# Allegro board LAY-95869_A.brd (continued)
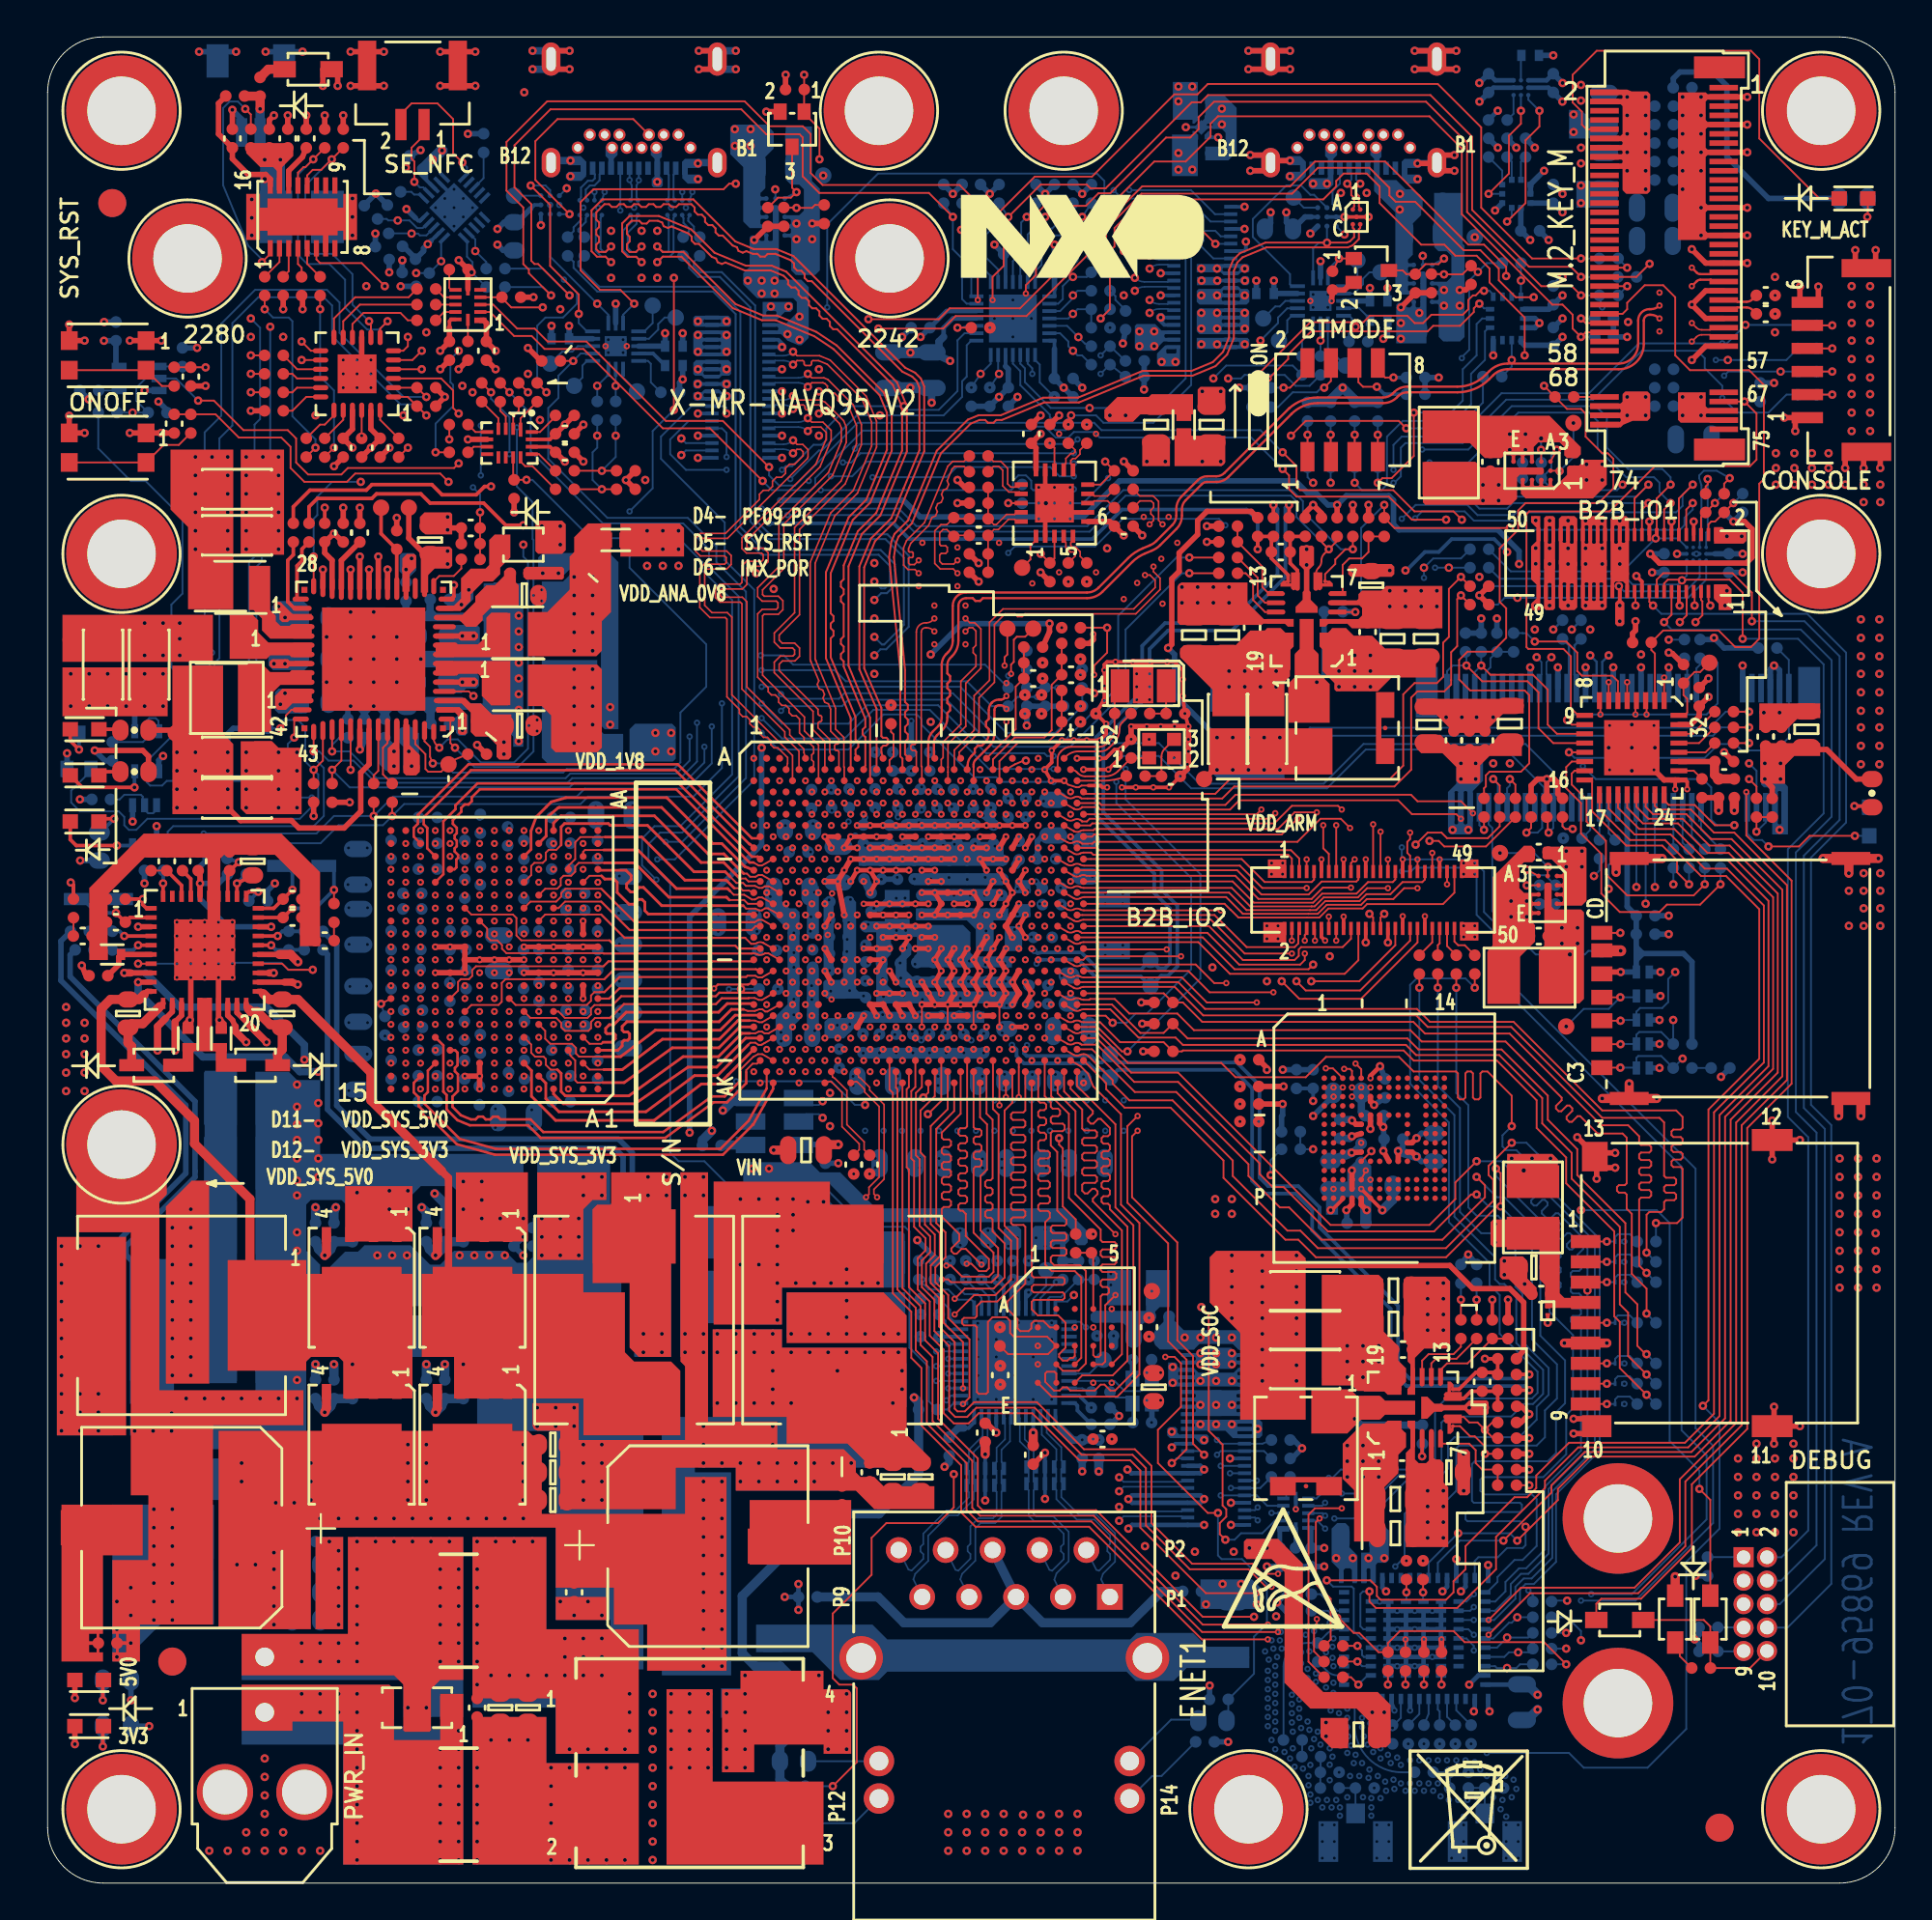
[diagram p0: board, top side]
## Routing (per net, layer and track width the routed paths; a pad name or vN(x,y) marks a point on that pad's centre or on a via; arc(x,y) is an arc through that point) (continued)
  L7_GND3 w0.4: 75.2,97.5 J12.SH4 ; J12.SH4 74.29,98.8 ; J12.SH4 76.11,98.8 ; 27.25,97.5 J13.SH3 ; J13.SH3 28.16,98.8 ; J13.SH3 26.34,98.8 ; 65.29,93.19 J12.SH1 ; J12.SH1 66.2,91.99 ; J12.SH1 67.11,93.19 ; 35.34,98.8 J13.SH4 ; J13.SH4 36.25,97.5 ; J13.SH4 37.16,98.8 ; J12.SH2 76.11,93.19 ; J12.SH2 74.29,93.19 ; J12.SH2 75.2,91.99 ; 65.29,98.8 J12.SH3 ; J12.SH3 66.2,97.5 ; J12.SH3 67.11,98.8 ; 26.34,93.19 J13.SH1 ; J13.SH1 28.16,93.19 ; J13.SH1 27.25,91.99 ; 36.25,91.99 J13.SH2 ; J13.SH2 37.16,93.19 ; J13.SH2 35.34,93.19
  L7_GND3 w0.5: J9.S2 13.9,6.65 ; J9.S2 12.18,4.93 ; J9.S2 13.9,3.21 ; J9.S2 15.62,4.93 ; 7.88,4.93 J9.S1 ; J9.S1 9.6,6.65 ; J9.S1 11.32,4.93 ; J9.S1 9.6,3.21
  L9_GND4 w0.25: 73.22,94 J12.B1 73.75,93.47 ; 67.65,93.47 J12.B12 68.18,94 ; 34.27,94 J13.B1 34.8,93.47 ; 29.23,94 J13.B12 28.7,93.47
  L9_GND4 w0.4: J13.SH3 28.16,98.8 ; J13.SH3 26.34,98.8 ; J13.SH3 27.25,97.5 ; J13.SH4 37.16,98.8 ; J13.SH4 35.34,98.8 ; J13.SH4 36.25,97.5 ; 27.25,91.99 J13.SH1 ; J13.SH1 28.16,93.19 ; J13.SH1 26.34,93.19 ; 75.2,91.99 J12.SH2 ; J12.SH2 76.11,93.19 ; J12.SH2 74.29,93.19 ; 35.34,93.19 J13.SH2 ; J13.SH2 37.16,93.19 ; J13.SH2 36.25,91.99 ; 75.2,97.5 J12.SH4 ; J12.SH4 76.11,98.8 ; J12.SH4 74.29,98.8 ; 65.29,93.19 J12.SH1 ; J12.SH1 66.2,91.99 ; J12.SH1 67.11,93.19 ; J12.SH3 67.11,98.8 ; J12.SH3 65.29,98.8 ; J12.SH3 66.2,97.5
  L9_GND4 w0.5: J9.S1 11.32,4.93 ; J9.S1 9.6,3.21 ; J9.S1 9.6,6.65 ; J9.S1 7.88,4.93 ; 13.9,3.21 J9.S2 ; J9.S2 15.62,4.93 ; J9.S2 13.9,6.65 ; J9.S2 12.18,4.93
  BOTTOM w0.15: 63.16,95.11 v1(61.61,95.11)
  BOTTOM w0.2: J15.2 v1(35.2,77.2) ; U26.B2 U26.B3 v1(70.2,90.25) ; v1(60.85,23.6) 61.05,23.8 J17.24 ; v1(64.86,88.91) 64.86,88.5 64.76,88.4 J14.14 ; v1(53.99,20.81) D30.3 D30.8 v1(53.99,23.31) ; J17.19 v1(64,23) ; J15.14 v1(35.2,79.6) ; J15.13 v1(39.75,79.6) ; J15.25 v1(39.75,82) ; v9(22,90.75) v9(21.5,91.25) 21.78,91.53 U25.19 ; J15.19 v1(39.75,80.8) ; J15.8 v1(35.2,78.4) ; J14.13 v1(60.25,88.4) ; U34.D2 v1(88.2,72) ; J17.1 v1(64.05,19.4) ; J14.2 v1(64.79,90.8) ; U37.6 v9(67.56,20.25) ; J14.8 v1(64.79,89.6) ; U19.5 62.45,95.11 ; v1(50.75,20.73) D31.3 D31.8 v1(50.75,23.23) ; J17.7 v1(64.05,20.6) ; J14.19 v1(60.25,87.2) ; J14.25 v1(60.25,86) ; J15.7 v1(39.75,78.4) ; J14.1 v1(60.25,90.8) ; J14.7 v1(60.25,89.6) ; J15.1 v1(39.75,77.2)
  BOTTOM w0.25: U36.11 72.75,9.71 v9(72.9,9.35) ; U36.14 71.25,9.55 v13(71.15,9.45) ; U36.88 U36.103 ; U36.88 U36.89 ; U36.88 U36.87 ; U36.103 U36.102 ; U36.103 U36.90 ; U36.103 U36.104 ; U36.102 v9(73.05,13.75) U36.87 ; U36.102 v9(74,13.75) U36.105 ; U36.102 U36.101 ; v1(76.95,10.75) 77.45,11.25 U36.53 ; U18.C3 81.14,97.65 C118.2 ; U36.101 U36.100 ; U36.101 U36.86 ; U36.101 U36.106 ; U36.100 U36.99 ; U36.100 v9(74,12.75) U36.107 ; U36.100 v9(73.05,12.75) U36.85 ; U36.93 U36.94 ; U36.93 U36.104 ; U36.93 U36.92 ; U36.94 U36.95 ; U36.94 U36.105 ; v1(75.5,15.8) 75.75,16.05 U36.39 ; U36.2 77.25,9.35 v1(77.2,9.3) ; U36.84 U36.99 ; U36.84 U36.85 ; U36.84 U36.83 v9(73.05,11.75) U36.82 ; U36.99 U36.82 ; U36.99 U36.98 ; U36.89 U36.68 v9(72.1,15.25) U36.67 ; U36.89 v9(73.05,14.75) U36.90 ; U18.B2 U18.B1 78.26,97.25 C119.2 ; U36.86 U36.85 ; U36.86 U36.87 ; U36.85 v9(72.1,12.75) U36.62 ; U36.90 v9(74,14.75) U36.91 ; U36.96 U36.97 v9(74.95,12.25) U36.98 ; U36.96 U36.95 ; U36.96 U36.107 ; U36.104 U36.105 ; U36.104 U36.91 ; U36.43 v1(77.97,17.23) ; v1(58.45,22.4) 58.65,22.2 J17.16 62.4,22.2 v1(62.6,22.4) 62.4,22.6 J17.18 ; U36.71 U36.92 ; U36.92 v9(74.95,14.75) U36.91 ; v1(72.45,15.8) 72.25,16 U36.32 ; U36.98 U36.107 ; U36.98 U36.81 v9(74,11.75) U36.82 ; R171.2 v1(78.5,96) ; v1(39.9,15.5) C424.2 ; C424.2 v1(40.64,16.2) ; C424.2 v1(40.64,14.8) ; U36.9 v9(73.75,9.35) ; U36.105 U36.106 ; U36.95 U36.106 ; U36.107 U36.106 ; v1(58.5,19.2) 58.7,19.4 J17.2 v1(62.6,19.4) ; U36.41 76.75,16.05 v1(76.5,15.8) ; U36.1 77.97,9.38 v1(78.05,9.3) ; J17.10 62.4,21 v1(62.6,20.8) 62.4,20.6 J17.8 58.7,20.6 v1(58.5,20.8) 58.7,21 J17.10
  BOTTOM w0.3: J16.39 v1(84.75,65.85) ; v1(81,92.75) 80.26,92.01 U20.8 U20.9 ; v1(10.2,99.2) 9.2,99.2 ; 9.2,99.2 J11.S1 ; 9.2,99.2 v1(8.2,99.2) ; C140.2 24.66,88.44 v1(24.35,88.75) ; C351.2 56.06,43.67 v9(56.08,43.68) ; C261.2 v1(87.75,52.4) ; v1(12.5,59.25) 12.99,59.74 R261.1 ; v1(28.25,98.25) 27.25,98.25 ; v1(46.25,83.75) 46.74,84.24 C154.2 ; C306.2 v9(26.58,47.91) ; D22.1 v1(87.25,44.15) ; 12.8,99.2 v1(13.8,99.2) ; 12.8,99.2 v1(11.8,99.2) ; 12.8,99.2 J11.S2 ; v1(79.99,78.49) 79.99,79.13 R231.2 ; 66.2,93.3 66.2,93.6 v1(65.1,93.6) ; 66.2,93.3 J12.SH1 66.2,92.75 v1(65.1,92.75) ; 66.2,93.3 v1(67.25,93.3) ; R161.1 89.39,12.96 v1(89.15,13.2) 89.39,13.44 R160.1 ; C160.2 v1(34.38,81.45) 34.21,81.28 R216.2 ; C242.2 v9(25.78,53.51) ; v1(25.75,34) 25.74,34 C380.2 25.74,35 v1(25.75,35) 25.25,35.5 C381.2 25.74,36 v1(25.75,36) ; v1(72.3,39.66) C366.2 v1(72.3,40.95) 72.3,41.54 C361.2 ; C156.2 v1(3.06,84.56) ; C349.2 C354.2 v1(66.86,44.06) ; C368.2 v1(70.59,39.56) ; v1(79.21,53.19) 79.21,53.88 R276.2 ; C320.2 v9(20.18,47.21) ; v1(68.5,41.55) 69.59,42.64 C375.2 ; C245.2 v9(28.98,53.51) ; R301.2 v1(22.5,36.5) ; R351.1 v1(63.9,7.65) ; J16.11 v1(91.75,65.95) ; J16.33 v1(86.25,65.85) ; v1(16.4,63.75) 16.25,63.6 R257.2 ; C152.2 v1(72.53,86.4) ; v9(24.24,41.94) C362.2 v9(24.24,40.92) ; v1(4.25,63.75) 4.72,63.28 Q8.4 ; C170.2 v1(86.85,70.99) ; C138.2 80.76,89.49 v1(81.25,89) ; C363.2 v1(42.8,38.99) ; R294.2 v1(90.58,43.67) ; U30.6 80.5,84.75 v1(80.75,84.5) 80.5,84.25 U30.7 ; v1(66.2,90.5) 66.2,89.91 C137.2 ; C215.2 v9(24.94,56.33) ; D18.1 v1(87.3,49.35) ; v9(17.3,56.07) C224.2 v9(16.29,56.07) ; v9(59.77,25.98) 59.77,24.97 v9(59.76,24.95) ; C273.2 v9(26.58,50.71) ; C239.2 v9(23.38,54.21) ; J11.1 10.5,95.55 v1(10,96.05) ; J16.5 93.25,65.75 v1(93.45,65.95) 93.5,65.95 93.75,65.7 J16.3 ; v1(82,84.75) 81.51,84.26 C157.2 ; J12.SH2 74.15,93.19 v1(74.15,93.15) ; C153.2 72.53,83.88 v1(72.3,83.65) ; v1(19.39,92.92) C129.2 v1(20.19,93.87) ; C345.2 v9(29.78,44.41) ; C276.2 v9(28.18,50.71) ; C348.2 v9(27.38,43.71) ; C164.2 55.51,81.49 v1(56,81) ; C166.2 52,80 v1(52.5,80.5) ; J16.27 v1(87.75,65.85) ; v1(82,87) 81.51,86.51 C151.2 ; C221.2 v9(18.58,55.61) ; C274.2 v9(21.78,50.71) ; v9(58.74,28.35) 58.73,28.33 v9(58.73,27.32) ; C353.2 v1(72.12,44.24) ; C150.2 v1(65.42,86.8) ; v9(24.98,51.41) C283.2 v9(24.18,51.41) ; U30.11 v1(78.25,82.75) ; v1(82,91.5) 81.5,92 C133.2 ; C323.2 v9(19.37,46.42) ; 75.2,98.25 v1(76.25,98.25) ; 75.2,98.25 J12.SH4 75.2,99.25 ; 75.2,98.25 v1(74,98.25) ; U33.3 v1(5.25,80.85) ; D20.1 v1(87.25,46.75) ; C257.2 28.09,52.71 v9(28.11,52.74) ; v9(31.67,58.36) C199.2 v9(31.67,57.34) ; C147.2 v1(55.5,88.75) ; 75.2,99.25 v1(76.25,99.25) ; 75.2,99.25 v1(74,99.25) ; 66.2,98.25 J12.SH3 66.2,99.25 ; 66.2,98.25 v1(65,98.25) ; 66.2,98.25 v1(67.25,98.25) ; C271.2 v9(20.18,50.71) ; 28.07,47.28 v9(28.18,47.21) ; R175.2 78,94.5 v1(78.5,94) ; 66.2,99.25 v1(67.25,99.25) ; 66.2,99.25 v1(65,99.25) ; C275.2 v9(18.58,50.71) ; C298.2 v9(29.78,49.31) ; C326.2 v9(25.78,46.51) ; C352.2 v9(24.96,43.74) ; C217.2 v9(20.98,56.31) ; J16.51 v1(81.75,65.85) ; U20.3 78.74,90.99 v1(78.35,90.6) ; v1(66,17.15) 66.69,17.15 C432.2 R368.2 C431.2 69.09,17.14 v1(69.1,17.15) ; C367.2 74.36,40.61 v1(74.1,40.35) ; C149.2 19.19,87.89 v1(19.2,87.9) ; C409.2 57.55,25.75 v1(58,25.3) 57.55,24.85 R337.2 ; J16.45 v1(83.25,65.85) ; C327.2 v9(22.58,46.51) ; Q8.1 6.02,60.82 v1(6.25,61.05) ; C342.2 v9(25.78,44.41) ; Q7.2 v1(1.05,61.2) ; C142.2 v1(52.25,88.75) ; v9(28.18,49.31) C299.2 ; R173.2 80,94.5 v1(80.5,94) ; J16.57 v1(80.25,65.85) ; C343.2 v9(22.58,44.41) ; C119.2 v1(77.5,96.5) ; C267.2 v1(87.75,51.4) ; C377.2 v1(70.3,36.45) ; v1(62.9,10.7) 62.89,10.69 R348.2 ; C272.2 v9(29.78,50.71) ; C169.2 v1(91.75,70.99) ; C159.2 v1(34.38,83.95) ; C158.2 v1(27.27,84.35) ; C339.2 v9(28.18,45.11) ; C278.2 v9(22.63,51.43) ; v1(35.25,99.25) 36.25,99.25 ; C324.2 v9(28.98,46.51) ; R252.2 v9(48.2,59.25) ; C229.2 v9(20.18,54.91) ; C338.2 v9(23.38,45.81) ; C344.2 v9(18.58,44.41) ; C219.2 v9(22.58,55.61) ; C202.2 v9(20.98,57.71) ; D19.1 v1(87.3,48.05) ; C218.2 v9(25.78,55.61) ; C205.2 v9(23.38,57.01) ; D21.1 v1(87.25,45.45) ; v1(28.25,99.25) 27.25,99.25 ; C117.2 v1(81.5,99) ; Q9.4 v1(4.6,57.5) ; C118.2 v1(82,97.5) ; v1(35.25,98.25) 36.25,98.25 ; 5.9,56.22 v1(5.9,57.25)
  BOTTOM w0.35: C260.2 45.57,53.32 45.05,52.8 v9(44.73,52.8) C248.2
  BOTTOM w0.4: v1(28.3,93.3) 27.36,93.3 J13.SH1 ; C415.2 v1(56,22.3) ; C136.2 15.5,90.25 ; 15.5,90.25 v1(16.5,90.25) ; 15.5,90.25 15.5,91.25 v1(16.5,91.25) ; 15.5,90.25 15.5,89.25 v1(16.5,89.25) ; v1(35.2,93.15) 35.24,93.19 J13.SH2 ; v1(47.85,80.19) C162.2 ; C418.2 48.8,22.8 v1(48.55,22.55) ; v1(37.25,98.25) 36.25,98.25 J13.SH4 36.25,99.25 v1(37.25,99.25) ; C364.2 70.49,40.34 v1(70.6,40.45) ; v1(26.25,98.25) 27.25,98.25 J13.SH3 27.25,99.25 v1(26.25,99.25)
  BOTTOM w0.5: C429.2 80.08,8.83 v1(80.65,9.4) ; Y3.3 37.88,42.35 37.05,42.35 v1(36.55,41.85) ; R226.2 R225.2 69.45,80.35 v1(70.1,81) 70.75,80.35 R224.2 R223.2 ; C384.2 v1(70.59,39.56) ; C374.2 72.81,37.01 v1(72.25,36.45)
  BOTTOM w0.6: C163.2 45.57,81 v1(46.7,81) 47.83,81 C162.2
  vias: v1(1,47.45) v1(1,46.6) v1(1,45.75) v1(1.25,65.5) v1(1.25,63.75) v1(2,46.6) v1(2,45.75) v1(2.25,65.5) v1(2.25,63.75) v1(3.25,65.5) v1(3.25,63.75) v1(3.75,15.25) v1(3.75,13.75) v1(3.75,12.25) v1(4.25,65.5) v1(4.5,16) v1(4.5,14.5) v1(4.5,13) v1(4.71,24.49) v1(5.25,65.5) v1(5.25,63.75) v1(5.71,24.49) v1(5.75,20.25) v1(5.75,19.25) v1(5.75,18.25) v1(5.75,17.25) v1(5.75,16.25) v1(5.75,15.25) v1(5.75,14.25) v1(6.25,65.5) v1(6.25,63.75) v1(6.71,25.45) v1(6.71,24.49) v1(6.75,20.25) v1(6.75,19.25) v1(6.75,18.25) v1(6.75,17.25) v1(6.75,16.25) v1(6.75,15.25) v1(6.75,14.25) v1(7.5,26.25) v1(7.7,46.75) v1(8.5,26.25) v1(8.75,1.75) v1(9.3,46.75) v1(9.5,26.25) v1(9.75,1.75) v1(10.5,26.25) v1(10.75,77.25) v1(10.75,76.25) v1(10.75,75.25) v1(10.75,74.25) v1(10.75,73.25) v1(10.75,72.25) v1(10.75,61.25) v1(10.75,60.25) v1(10.75,59.25) v1(10.75,58.25) v1(10.75,2.75) v1(10.75,1.75) v1(11.05,91.2) v1(11.05,90.2) v1(11.05,89.25) v1(11,83.75) v1(11.5,26.25) v1(11.65,77.25) v1(11.75,6.75) v1(11.75,5.75) v1(11.75,4.75) v1(11.75,3.75) v1(11.75,2.75) v1(11.75,1.75) v1(12.5,77.25) v1(12.5,76.25) v1(12.5,75.25) v1(12.5,74.25) v1(12.5,73.25) v1(12.5,72.25) v1(12.5,61.25) v1(12.5,60.25) v1(12.5,58.25) v1(12.5,26.25) v1(12.75,83.75) v1(12.75,2.75) v1(12.75,1.75) v1(13.5,61.25) v1(13.5,60.25) v1(13.5,59.25) v1(13.5,58.25) v1(13.5,43.25) v1(13.5,42.05) v1(13.5,41.1) v1(13.5,40.25) v1(13.5,39.25) v1(13.5,38.05) v1(13.5,37.25) v1(13.5,35.25) v1(13.5,34.25) v1(13.5,27.25) v1(13.5,26.25) v1(13.75,1.75) v1(14.5,79.5) v1(14.65,42.25) v1(14.65,41.15) v1(14.65,40.25) v1(14.65,39.25) v1(14.65,38.25) v1(14.75,1.75) v1(15.1,67.5) v1(15.1,65.05) v1(15.25,18.5) v1(15.75,18) v1(15.75,17) v1(15.75,16) v1(15.75,15) v1(15.75,14) v1(16.4,68.85) v1(16.4,67.5) v1(16.4,66.3) v1(16.4,65.05) v1(16.75,37.4) v1(17.25,86.5) v1(17.65,68.85) v1(17.65,67.5) v1(17.65,66.3) v1(17.65,65.05) v1(17.65,63.75) v1(18.5,37.5) v1(18.5,36.5) v1(18.9,67.5) v1(18.9,66.3) v1(18.9,65.05) v1(19.25,79.5) v1(19.5,37.5) v1(19.5,36.5) v1(20.2,66.3) v1(20.5,84) v1(21.65,74) v1(22.5,38) v1(23,80.75) v1(23.5,38) v1(23.5,37) v1(23.5,36) v1(24.5,36) v1(25.5,68.65) v1(25.5,67.8) v1(25.5,66.95) v1(25.5,66.1) v1(25.5,65.25) v1(25.5,64.4) v1(25.5,63.55) v1(25.5,61.85) v1(25.8,97) v1(26,81.75) v1(26.5,25.75) v1(26.5,24.75) v1(26.65,79.25) v1(27.5,25.75) v1(27.5,24.75) v1(27.75,85.25) v1(27.75,15.25) v1(28.3,92.45) v1(28.5,25.75) v1(28.5,24.75) v1(28.5,14.5) v1(29,23.75) v1(29,22.75) v1(29,21.75) v1(29,20.75) v1(29.25,15.25) v1(30,23.75) v1(30,22.75) v1(30,21.75) v1(30,20.75) v1(30,14.5) v1(30.5,89.5) v1(30.5,86.95) v1(32.15,89.5) v1(32.15,86.95) v1(32.45,71.35) v1(32.75,10.25) v1(32.75,9.25) v1(32.75,8.25) v1(32.75,7.25) v1(32.75,6.25) v1(32.75,5.25) v1(32.75,4.25) v1(32.75,3.25) v1(32.75,2.25) v1(32.75,1.25) v1(33,89.5) v1(33,86.95) v1(33.3,71.35) v1(34.15,71.35) v1(34.5,38.25) v1(34.5,37.25) v1(34.5,29.75) v1(34.5,28.75) v1(35.2,92.3) v1(35.2,84.6) v1(35.2,82) v1(35.2,80.55) v1(35.5,38.25) v1(35.5,37.25) v1(35.5,29.75) v1(35.5,28.75) v1(35.5,24.75) v1(35.5,23.75) v1(35.5,22.75) v1(36.5,22.75) v1(36.75,84.6) v1(36.75,82) v1(36.75,80.55) v1(36.75,10.25) v1(36.75,9.25) v1(36.75,8.25) v1(36.75,7.25) v1(36.75,6.25) v1(37.5,22.75) v1(37.5,21.75) v1(37.75,11.25) v1(37.75,10.25) v1(37.75,9.25) v1(37.75,8.25) v1(37.75,7.25) v1(37.75,6.25) v1(38.5,22.75) v1(38.5,21.75) v1(39.15,85.4) v1(39.25,24.75) v1(39.25,23.75) v1(39.5,22.75) v1(39.5,21.75) v1(39.75,83.2) v1(40.1,85.4) v1(40.25,29.75) v1(40.54,89.89) v1(40.54,89.04) v1(40.5,22.75) v1(40.5,21.75) v1(41.25,29.75) v1(41.39,89.04) v1(41.5,22.75) v1(41.5,21.75) v1(41.75,82) v1(41.75,80.8) v1(41.75,79.6) v1(41.75,78.4) v1(41.75,11.25) v1(42.25,29.75) v1(42.25,10.25) v1(42.25,9.25) v1(42.25,8.25) v1(42.25,7.25) v1(42.35,42.8) v1(42.35,41) v1(42.5,22.75) v1(43.25,31.55) v1(43.25,30.65) v1(43.25,29.75) v1(43.25,10.25) v1(43.25,9.25) v1(43.25,8.25) v1(43.25,7.25) v1(43.5,22.75) v1(44.25,29.75) v1(44.75,71.5) v1(44.75,68.5) v1(44.75,65.5) v1(45.25,29.75) v1(46.05,29.75) v1(48.75,2.75) v1(49.75,2.75) v1(50.75,2.75) v1(51.75,2.75) v1(52.75,2.75) v1(53.75,2.75) v1(54.75,2.75) v1(55.75,2.75) v1(58.25,89.6) v1(58.25,88.4) v1(58.25,87.2) v1(58.25,86) v1(59.4,18.25) v1(59.5,77) v1(60.25,84.8) v1(60.3,82.4) v1(60.5,77) v1(60.9,27.95) v1(60.9,27.1) v1(61.05,82.4) v1(61.05,16.65) v1(61.55,29.55) v1(62.1,17.95) v1(62.4,29.55) v1(62.4,27.2) v1(62.4,24.85) v1(62.45,87.45) v1(62.45,86) v1(62.45,83.35) v1(62.5,80.8) v1(62.7,15.1) v1(63.05,49.6) v1(63.2,37.05) v1(63.25,29.55) v1(63.25,27.2) v1(63.25,24.85) v1(63.3,87.45) v1(63.3,86) v1(63.3,83.35) v1(63.5,80.8) v1(63.56,96.11) v1(63.56,95.26) v1(63.6,16.2) v1(63.95,65.65) v1(63.95,64.8) v1(64.1,37.05) v1(64.1,29.55) v1(64.1,27.2) v1(64.1,24.85) v1(64.2,17.95) v1(64.6,16.2) v1(64.8,87.45) v1(64.8,86) v1(64.8,83.35) v1(64.8,65.65) v1(64.8,64.8) v1(65.5,24.6) v1(65.45,15.1) v1(65.65,66.5) v1(65.65,65.65) v1(65.65,64.8) v1(66,48.85) v1(66.5,65.65) v1(66.5,64.8) v1(66.5,14.45) v1(67.25,92.45) v1(68.15,72.25) v1(68.15,71.4) v1(69.2,8.7) v1(69.2,7.95) v1(69.4,50.2) v1(69.75,17.6) v1(69.9,65.65) v1(69.9,64.8) v1(70,91.55) v1(70.35,29.1) v1(70.35,28.25) v1(70.35,27.4) v1(70.35,23.7) v1(70.35,22.85) v1(70.35,22) v1(70.65,71.1) v1(70.65,17.6) v1(70.75,66.5) v1(70.75,65.65) v1(70.75,64.8) v1(71.2,29.1) v1(71.2,28.25) v1(71.2,27.4) v1(71.2,23.7) v1(71.2,22.85) v1(71.2,22) v1(71.4,91.55) v1(71.6,66.5) v1(71.6,65.65) v1(71.6,64.8) v1(72.05,29.1) v1(72.05,28.25) v1(72.05,22.85) v1(72.05,22) v1(72.65,71.1) v1(74.15,92.3) v1(75.59,86.29) v1(75.59,85.44) v1(75.7,63.15) v1(76.44,85.44) v1(76.55,63.15) v1(76.65,23.25) v1(76.65,21.25) v1(76.95,25.75) v1(77.35,63.15) v1(77.8,25.75) v1(78.25,63.15) v1(78.25,60.65) v1(78.85,33.7) v1(78.85,32.95) v1(79.14,78.49) v1(79.14,77.64) v1(79.15,60.65) v1(79.21,52.34) v1(79.25,39.25) v1(79.99,77.64) v1(79.95,32.45) v1(80.06,53.19) v1(80.06,52.34) v1(80.35,39.25) v1(80.55,73.81) v1(80.55,72.31) v1(80.55,71.46) v1(80.55,69.2) v1(80.5,67.9) v1(81.2,30.35) v1(81.35,39.25) v1(82.3,73.8) v1(82.3,72.3) v1(82.3,71.45) v1(82.3,69.2) v1(82.6,95.8) v1(82.6,94.85) v1(83,91.95) v1(83,91) v1(83.5,67.9) v1(84.5,61.5) v1(85.1,73.8) v1(85.1,72.3) v1(85.1,71.45) v1(85.75,62.75) v1(85.75,61.5) v1(85.75,60.25) v1(87,61.5) v1(88.5,96.75) v1(88.5,95.75) v1(88.5,94.75) v1(88.5,93.75) v1(88.5,92.75) v1(88.5,91.75) v1(88.5,80.5) v1(88.5,79.5) v1(89.5,96.75) v1(89.5,95.75) v1(89.5,94.75) v1(89.5,93.75) v1(89.5,92.75) v1(89.5,90.75) v1(89.5,89.25) v1(89.5,80.5) v1(89.5,79.5) v1(90.8,69.2) v1(90.9,72.95) v1(90.9,70) v1(91.5,19) v1(91.7,72.95) v1(92.5,23.8) v1(92.5,19) v1(92.9,63.4) v1(93.5,87) v1(93.5,84) v1(93.55,77.45) v1(93.5,19) v1(93.75,63.4) v1(94.55,77.45) v1(94.5,23.8) v1(94.5,19) v1(95.5,77.45) v1(96.4,77.45) v1(97.5,53.75) v1(97.5,51.85) v1(97.65,84.5) v1(97.65,81.55) v1(97.65,78.65) v1(98,39.25) v1(98,38.25) v1(98,37.25) v1(98,36.25) v1(98,35.25) v1(98,34.25) v1(98,33.25) v1(98,32.25) v1(98.15,66.45) v1(98.15,63.5) v1(98.15,60.6) v1(98.65,84.5) v1(98.65,81.55) v1(98.65,78.65) v1(99.15,66.45) v1(99.15,63.5) v1(99.15,60.6) v6(5.1,45.05) v6(5.95,43.3) v6(7.38,51.62) v6(7.38,50.88) v6(7.38,50.12) v6(7.38,49.38) v6(7.35,41.9) v6(7.55,44.75) v6(8.12,51.62) v6(8.12,50.88) v6(8.12,50.12) v6(8.12,49.38) v6(8.55,40.75) v6(8.88,51.62) v6(8.88,50.88) v6(8.88,50.12) v6(8.88,49.38) v6(9.55,42.75) v6(9.62,51.62) v6(9.62,50.88) v6(9.62,50.12) v6(9.62,49.38) v6(9.9,39.4) v6(11.2,41.1) v6(11.25,38.05) v6(14.25,35.75) v6(15.4,35.75) v6(37.7,73) v6(37.85,71.3) v6(38.05,50.5) v6(39.15,72.4) v6(40.1,71.6) v6(40.15,69.85) v6(40.2,50) v6(41.15,70.5) v6(41.9,71.6) v6(43.35,72.7) v6(43.5,71.6) v6(43.7,58) v6(44.95,72.7) v6(46.3,71.6) v6(46.5,72.7) v6(48.05,71.6) v6(48.3,72.7) v6(49.3,71.6) v6(50.3,72.7) v6(51.55,71.6) v6(52.1,70.45) v6(52.2,72.7) v6(52.46,58.9) v6(52.9,71.55) v6(53.7,69.9) v6(54.05,75.15) v6(54.05,74.3) v6(54.58,52.74) v6(54.95,75.15) v6(54.95,74.3) v6(55.15,69.9) v6(55.75,71.05) v6(56.6,69.9) v6(57.7,71.05) v6(57.8,69.9) v6(59.05,71.05) v6(59.3,69.9) v6(60.25,71.7) v6(60.45,70.2) v6(61.05,72.45) v6(60.95,70.95) v6(63.1,70.95) v6(63.3,72.25) v6(64.35,72.25) v6(65,69.9) v6(65.5,71.15) v6(66.4,69.9) v6(67,72.3) v6(67,71.15) v6(67.7,69.9) v6(69,69.9) v6(70.55,69.9) v6(71.9,69.9) v8(7,52.05) v8(7,51.3) v8(7,50.55) v8(7,49.8) v8(7,49.05) v8(7.75,52.05) v8(7.75,51.3) v8(7.75,50.55) v8(7.75,49.8) v8(7.75,49.05) v8(8.5,52.05) v8(8.5,51.3) v8(8.5,50.55) v8(8.5,49.8) v8(8.5,49.05) v8(9.25,52.05) v8(9.25,51.3) v8(9.25,50.55) v8(9.25,49.8) v8(9.25,49.05) v8(10,52.05) v8(10,51.3) v8(10,50.55) v8(10,49.8) v8(10,49.05) v8(16,81.75) v8(16.75,82.5) v8(16.75,81) v8(17.5,81.75) v8(21.78,57.01) v8(21.78,55.61) v8(22.58,54.91) v8(23.38,54.91) v8(26.05,62.7) v8(26.3,69.75) v8(26.5,63) v8(26.5,62.4) v8(26.75,70.05) v8(26.75,69.45) v8(30.2,83.25) v8(31.35,83.25) v8(39.62,59.71) v8(41.02,54.86) v8(41.02,53.65) v8(41.02,45.16) v8(41.02,43.95) v8(41.37,59.11) v8(41.37,57.89) v8(41.72,56.08) v8(41.72,43.95) v8(42.07,45.77) v8(42.07,44.56) v8(42.42,57.29) v8(42.42,45.16) v8(42.77,57.89) v8(42.77,44.56) v8(43.12,43.95) v8(43.47,45.77) v8(43.47,44.56) v8(44.17,57.89) v8(44.17,45.77) v8(44.52,43.95) v8(45.57,57.89) v8(45.92,46.38) v8(46.97,57.89) v8(47.15,70.25) v8(47.35,72.6) v8(48,69.2) v8(48,67.1) v8(48.02,46.38) v8(48.37,57.89) v8(49.25,72.35) v8(49.25,70.25) v8(49.68,69.2) v8(49.68,67.1) v8(49.77,57.89) v8(50.12,58.5) v8(50.82,59.71) v8(51.01,84.25) v8(51.17,57.89) v8(51.17,45.77) v8(51.5,72.6) v8(51.9,65) v8(51.9,62.9) v8(52.22,58.5) v8(52.57,57.89) v8(52.57,45.77) v8(52.92,56.08) v8(52.92,50.01) v8(53.3,70.4) v8(53.27,57.89) v8(53.27,56.68) v8(53.65,75.6) v8(53.65,74.75) v8(53.65,73.9) v8(53.62,59.71) v8(53.97,59.11) v8(53.97,48.19) v8(53.97,45.77) v8(54.32,57.29) v8(54.32,54.86) v8(54.32,52.44) v8(54.32,50.01) v8(54.32,48.8) v8(54.32,46.38) v8(54.5,75.6) v8(54.5,73.9) v8(54.67,44.56) v8(54.75,78.5) v8(54.75,71) v8(55.35,75.6) v8(55.35,74.75) v8(55.35,73.9) v8(55.37,53.04) v8(55.37,51.83) v8(55.37,50.62) v8(55.37,48.19) v8(55.37,46.98) v8(55.37,45.77) v8(55.6,30.1) v8(56.75,78.5) v8(56.75,71) v8(57.6,27.1) v8(57.61,24.05) v8(58.25,69.55) v8(58.98,70.43) v8(59.33,74) v8(59.5,26.15) v8(59.62,30.62) v8(60.25,26.15) v8(60.28,71.73) v8(60.35,69.3) v8(60.68,74) v8(61.15,72.6) v8(66,51.85) v8(66,51.15) v8(66.25,54.65) v8(66.25,55.25) v8(66.6,51.85) v8(66.6,51.15) v8(66.85,54.65) v8(66.85,55.25) v8(76.65,55.25) v8(76.65,54.65) v8(76.65,51.85) v8(76.65,51.25) v8(77.25,54.65) v8(77.25,51.85) v8(77.25,55.25) v8(77.25,51.25) v8(84.55,62.7) v8(84.55,60.3) v8(86.95,62.7) v8(87.25,86.15) v8(87.25,84.05) v9(21,90.75) v9(21.5,90.25) v9(22,91.75) v9(22,89.75) v9(22.5,91.25) v9(22.5,90.25) v9(23,90.75) v9(27.2,90.9) v9(27.7,90.9) v9(29,90.75) v9(29.8,90.75) v9(31.75,90.75) v9(33.75,90.75) v9(34.55,90.75) v9(38.44,50.52) v9(39.53,48.43) v9(39.93,57.28) v9(39.95,56.8) v9(40.4,50.4) v9(40.4,49.61) v9(41.2,75.95) v9(41.34,58.09) v9(42.3,53.26) v9(42.32,51.25) v9(42.33,49.43) v9(42.35,50.2) v9(42.54,56.01) v9(42.74,46.47) v9(42.85,44.16) v9(43.01,56.02) v9(43.42,46.52) v9(44.27,56.2) v9(45.62,56.17) v9(45.75,61.26) v9(46.36,56.21) v9(47.15,33.71) v9(47.24,31.65) v9(47.24,30.8) v9(47.24,29.6) v9(47.32,53.51) v9(47.36,56.3) v9(47.73,44.97) v9(47.81,55.39) v9(48.48,56.21) v9(48.64,44.97) v9(48.92,48.84) v9(48.85,33.71) v9(49.4,35.35) v9(49.4,34.55) v9(49.7,33.71) v9(49.84,48.84) v9(50.21,56.3) v9(50.35,30.32) v9(50.35,29.45) v9(50.35,28.5) v9(50.35,27.5) v9(50.35,26.2) v9(50.55,33.71) v9(50.84,48.84) v9(51.07,59.26) v9(51.25,84.75) v9(51.28,56.17) v9(51.4,33.71) v9(51.35,29.45) v9(51.35,28.5) v9(51.35,26.2) v9(51.65,53.48) v9(51.69,55.42) v9(51.66,46.49) v9(51.67,46.05) v9(51.8,43.06) v9(51.87,48.84) v9(51.99,58.75) v9(52,35.4) v9(52,34.5) v9(52.25,85.75) v9(52.25,83.75) v9(52.25,33.71) v9(52.4,29.45) v9(52.35,28.5) v9(52.35,27.5) v9(52.35,26.2) v9(52.5,52.48) v9(52.5,34.95) v9(52.55,30.35) v9(53,66.76) v9(52.95,58.75) v9(53.04,52.47) v9(53.1,33.71) v9(53.25,84.75) v9(53.35,28.5) v9(53.35,26.2) v9(53.5,30.35) v9(53.91,58.6) v9(54.39,58.62) v9(54.35,30.35) v9(54.35,29.45) v9(54.35,26.2) v9(54.9,53.05) v9(56,65.76) v9(56.09,43.2) v9(56.35,46.38) v9(56.36,45.9) v9(56.65,33.71) v9(57.25,50.25) v9(57.51,84.25) v9(58.2,50.25) v9(85.35,34.75) v9(85.35,33.65) v9(85.35,32.55) v9(85.35,30.35) v9(85.35,28.15) v9(85.35,27.05) v9(85.35,25.95) v10(16,81.75) v10(16.75,82.5) v10(16.75,81) v10(17.5,81.75) v10(42.64,49) v10(42.81,51.06) v10(42.81,50.61) v10(42.92,48.27) v10(43.06,47.62) v10(43.4,52.48) v10(43.44,48.8) v10(43.89,52.15) v10(43.99,50.02) v10(44.25,40) v10(44.62,48.1) v10(45.1,49.45) v10(45.25,40) v10(46.25,40) v10(46.6,43.15) v10(47.25,40) v10(47.5,44.05) v10(48.25,40) v10(49.25,40) v10(50.25,40) v10(51.25,40) v10(52.25,40) v10(53.25,40) v10(54.25,40) v10(55.25,40) v10(56.25,40) v10(57.25,40) v10(57.55,33.7) v10(58.3,32.75) v10(59.2,33.65) v10(59.95,34.45) v10(60.85,35.35) v11(24.18,48.61) v11(24.98,49.31) v11(27.38,51.41) v11(38.22,60.92) v11(38.22,57.29) v11(38.22,43.95) v11(38.57,43.34) v11(38.92,57.29) v11(38.92,56.08) v11(38.92,54.86) v11(38.92,53.65) v11(38.92,52.44) v11(38.92,51.22) v11(38.92,50.01) v11(38.92,48.8) v11(38.92,47.59) v11(38.92,46.38) v11(38.92,45.16) v11(39.27,56.68) v11(39.62,58.5) v11(39.62,57.29) v11(39.62,56.08) v11(39.62,54.86) v11(39.62,45.16) v11(39.62,43.95) v11(39.97,56.68) v11(39.97,55.47) v11(39.97,54.26) v11(39.97,53.04) v11(39.97,51.83) v11(39.97,50.62) v11(39.97,49.41) v11(39.97,48.19) v11(39.97,46.98) v11(39.97,45.77) v11(39.97,44.56) v11(40.67,43.34) v11(41.02,59.71) v11(41.02,50.01) v11(41.02,48.8) v11(41.37,56.68) v11(42.07,59.11) v11(42.42,59.71) v11(42.77,51.83) v11(42.77,49.41) v11(43.12,57.29) v11(43.12,50.01) v11(43.12,48.8) v11(43.47,59.11) v11(43.82,59.71) v11(44.52,48.8) v11(44.52,46.38) v11(44.87,59.11) v11(45.22,59.71) v11(45.22,46.38) v11(45.65,63.81) v11(46.27,44.56) v11(46.62,59.71) v11(46.62,46.38) v11(47.67,44.56) v11(48.02,59.71) v11(49.07,59.11) v11(49.07,44.56) v11(49.42,59.71) v11(49.42,46.38) v11(49.77,59.11) v11(50.47,60.32) v11(50.47,59.11) v11(50.47,51.83) v11(50.47,44.56) v11(50.82,46.38) v11(51.87,59.11) v11(51.87,50.62) v11(51.87,44.56) v11(52.22,59.71) v11(52.9,64.36) v11(53.27,44.56) v11(53.8,64.36) v11(53.86,66.1) v11(53.86,65.25) v11(54.32,51.22) v11(54.89,68) v11(55.91,66.3) v11(55.91,65.45) v11(55.91,63.75) v11(55.91,62.9) v11(58.95,65.5) v11(58.95,64.8) v11(58.95,64.1) v11(59.65,65.5) v11(59.65,64.8) v11(59.65,64.1) v11(59.62,61.95) v11(60.98,60.95) v11(69.61,37.6) v11(70.61,42.6) v12(16.8,56.85) v12(16.8,55.35) v12(16.8,53.25) v12(16.8,52.4) v12(16.8,47.1) v12(16.8,46.2) v12(16.8,43.35) v12(17.15,56.1) v12(17.25,42.9) v12(18.9,56.8) v12(18.9,56.05) v12(19.15,42.95) v12(19.65,57.95) v12(19.7,41.8) v12(20.35,58.65) v12(20.6,40.75) v12(21,59.25) v12(21.1,54.1) v12(21.25,46.05) v12(21.6,59.9) v12(21.7,45) v12(21.75,40) v12(22.2,60.55) v12(22.6,49.85) v12(22.95,60.75) v12(23.2,39.3) v12(23.9,60.75) v12(24.55,38.8) v12(25.35,60.75) v12(25.8,54.25) v12(26.15,60.75) v12(27,60.75) v12(27.85,60.75) v12(28.65,60.75) v12(29.35,43.3) v12(29.6,60.75) v12(30.45,60.75) v12(30.65,45.25) v12(30.7,46.4) v12(30.8,43.95) v12(30.75,38.35) v12(30.95,48.45) v12(31.35,60.75) v12(31.5,56.3) v12(31.55,44.25) v12(31.75,38.35) v12(31.85,53.1) v12(31.95,45.45) v12(32,54.65) v12(32.1,48.45) v12(32.25,60.75) v12(32.35,55.8) v12(32.35,43.25) v12(32.75,52.5) v12(32.95,44.7) v12(33,48.45) v12(33.45,53.7) v12(33.55,60.75) v12(33.6,57.2) v12(33.65,55.8) v12(33.65,55) v12(33.85,48.45) v12(34.2,52.15) v12(34.6,55.65) v12(34.65,44.7) v12(34.55,42.8) v12(34.7,57.2) v12(34.8,53.7) v12(34.8,48.45) v12(34.95,60.75) v12(35.5,52.25) v12(35.7,54.7) v12(35.95,60.75) v12(36.3,38.35) v12(36.7,60.2) v12(36.85,52.95) v12(36.9,46.4) v12(37.2,38.35) v12(37.3,59.55) v12(37.5,47.05) v12(38.05,58.8) v12(38.75,58.1) v12(39.35,40.4) v12(39.6,59.15) v12(39.6,57.9) v12(39.8,41.1) v12(40.15,57.2) v12(40.15,41.7) v12(40.5,42.35) v12(43.2,38.05) v12(43.29,48.3) v12(43.5,43.15) v12(43.5,41.95) v12(43.7,40.9) v12(43.7,37.15) v12(44.21,48.04) v12(44.33,48.9) v12(44.8,39.9) v12(44.85,38) v12(45.21,53.85) v12(45.5,37.15) v12(45.56,55.21) v12(45.58,54.46) v12(45.9,38.85) v12(46.3,49.96) v12(46.4,49.31) v12(46.9,37.85) v12(47,44.65) v12(46.95,43.2) v12(47.08,49.8) v12(47.9,49.55) v12(48,36.75) v12(48.65,34.3) v12(48.66,44.38) v12(49.1,35.65) v12(49.42,54.58) v12(49.75,44.25) v12(49.75,43.5) v12(49.75,34.3) v12(49.94,51.25) v12(50.46,54.58) v12(50.55,34.3) v12(51.25,42.75) v12(51.5,43.45) v12(52.4,43.25) v12(57.7,30.5) v12(57.7,29.55) v13(65.9,12.55) v13(66.05,11.5) v13(66.05,11) v13(66.05,10.5) v13(66.05,10) v13(66.05,9.5) v13(66.05,9) v13(66.05,8.5) v13(66.1,12.1) v13(66.25,13.15) v13(66.25,7.75) v13(66.35,12.7) v13(66.55,12.25) v13(66.45,11.75) v13(66.45,11.25) v13(66.45,10.75) v13(66.45,10.25) v13(66.45,9.75) v13(66.45,9.25) v13(66.45,8.75) v13(66.45,8.25) v13(66.45,7.25) v13(66.7,13.15) v13(66.75,13.6) v13(66.8,12.7) v13(66.95,7.1) v13(67.15,13.05) v13(67.2,13.5) v13(67.25,6.75) v13(67.35,13.95) v13(67.35,11.7) v13(67.35,11.2) v13(67.35,10.7) v13(67.35,10.2) v13(67.35,9.7) v13(67.35,9.2) v13(67.35,8.7) v13(67.4,8.2) v13(67.4,7.3) v13(67.5,12.2) v13(67.5,6.3) v13(67.6,13.3) v13(67.75,13.75) v13(67.75,11.45) v13(67.75,10.95) v13(67.75,10.45) v13(67.75,9.95) v13(67.75,9.45) v13(67.75,8.95) v13(67.85,12.5) v13(67.85,11.9) v13(67.85,8.4) v13(67.95,6.2) v13(68.1,13.45) v13(68.2,13.9) v13(68.2,11.6) v13(68.2,11.1) v13(68.2,8.75) v13(68.25,5.8) v13(68.25,5.3) v13(68.3,12.55) v13(68.3,8.3) v13(68.35,6.4) v13(68.35,4.8) v13(68.35,4.35) v13(68.4,7.3) v13(68.55,13.65) v13(68.55,7.8) v13(68.65,11.35) v13(68.65,10.9) v13(68.75,8.2) v13(68.75,4.5) v13(68.9,7.5) v13(69,13.85) v13(69,4.1) v13(69,3.15) v13(69,2.25) v13(69,1.35) v13(69.1,11.05) v13(69.2,12.5) v13(69.2,10.6) v13(69.2,10.05) v13(69.25,4.5) v13(69.4,14.1) v13(69.4,7.3) v13(69.4,6.41) v13(69.4,5.58) v13(69.55,12.8) v13(69.55,12.2) v13(69.45,9.35) v13(69.55,6.85) v13(69.5,4.1) v13(69.6,13.25) v13(69.6,11.75) v13(69.6,10.85) v13(69.6,10.3) v13(69.6,9.8) v13(69.65,3.15) v13(69.65,2.25) v13(69.65,1.35) v13(69.75,4.5) v13(69.9,9.2) v13(69.9,8.7) v13(69.91,6) v13(69.95,8.2) v13(69.95,4.1) v13(69.95,3.65) v13(70.1,7.6) v13(70.35,9.45) v13(70.35,8.95) v13(70.35,8.45) v13(70.35,7.05) v13(70.35,4.65) v13(70.4,7.95) v13(70.55,7.45) v13(70.5,5.8) v13(70.7,6.5) v13(70.8,6.95) v13(71,5.8) v13(71.15,8.95) v13(71.15,8.45) v13(71.25,7.95) v13(71.15,6.5) v13(71.2,4.65) v13(71.45,7.5) v13(71.55,6.15) v13(71.5,5.7) v13(71.6,8.65) v13(71.65,8.15) v13(71.65,4.6) v13(71.65,4.1) v13(71.65,3.65) v13(71.85,7.7) v13(71.75,7.1) v13(71.81,5.15) v13(72,5.8) v13(71.95,3.15) v13(71.95,2.25) v13(71.95,1.35) v13(72.15,7.3) v13(72.15,6.75) v13(72.15,4.6) v13(72.4,5.5) v13(72.55,6.95) v13(72.45,5) v13(72.6,3.15) v13(72.6,2.25) v13(72.6,1.35) v13(72.7,6.5) v13(72.85,5.6) v13(72.9,5.1) v13(73.05,6.8) v13(73.25,6.4) v13(73.25,5.4) v13(73.5,5) v13(73.75,6.65) v13(73.75,5.4) v13(74,5) v13(74.25,6.65) v13(74.25,5.4) v13(74.5,5) v13(74.75,6.65) v13(74.75,5.4) v13(75,5) v13(75.25,6.65) v13(75.25,5.4) v13(75.4,4.7) v13(75.75,6.65) v13(75.85,4.5) v13(76,3.15) v13(76,2.25) v13(76,1.35) v13(76.25,6.65) v13(76.35,4.5) v13(76.65,3.15) v13(76.65,2.25) v13(76.65,1.35) v13(76.65,3.6) v13(76.75,6.65) v13(76.85,4.5) v13(76.91,6) v13(76.95,4) v13(77.25,6.55) v13(77.35,4.65) v13(77.55,6.15) v13(77.9,5.8) v13(78.25,4.65) v13(78.4,5.8) v13(78.65,4) v13(78.81,5.15) v13(78.75,4.5) v13(78.9,5.8) v13(78.95,3.6) v13(78.95,3.15) v13(78.95,2.25) v13(78.95,1.35) v13(79.25,4.65) v13(79.35,5.6) v13(79.5,5.1) v13(79.6,3.15) v13(79.6,2.25) v13(79.6,1.35)
